# KiCad board WS2812B LED Ring7.kicad_pcb (continued)
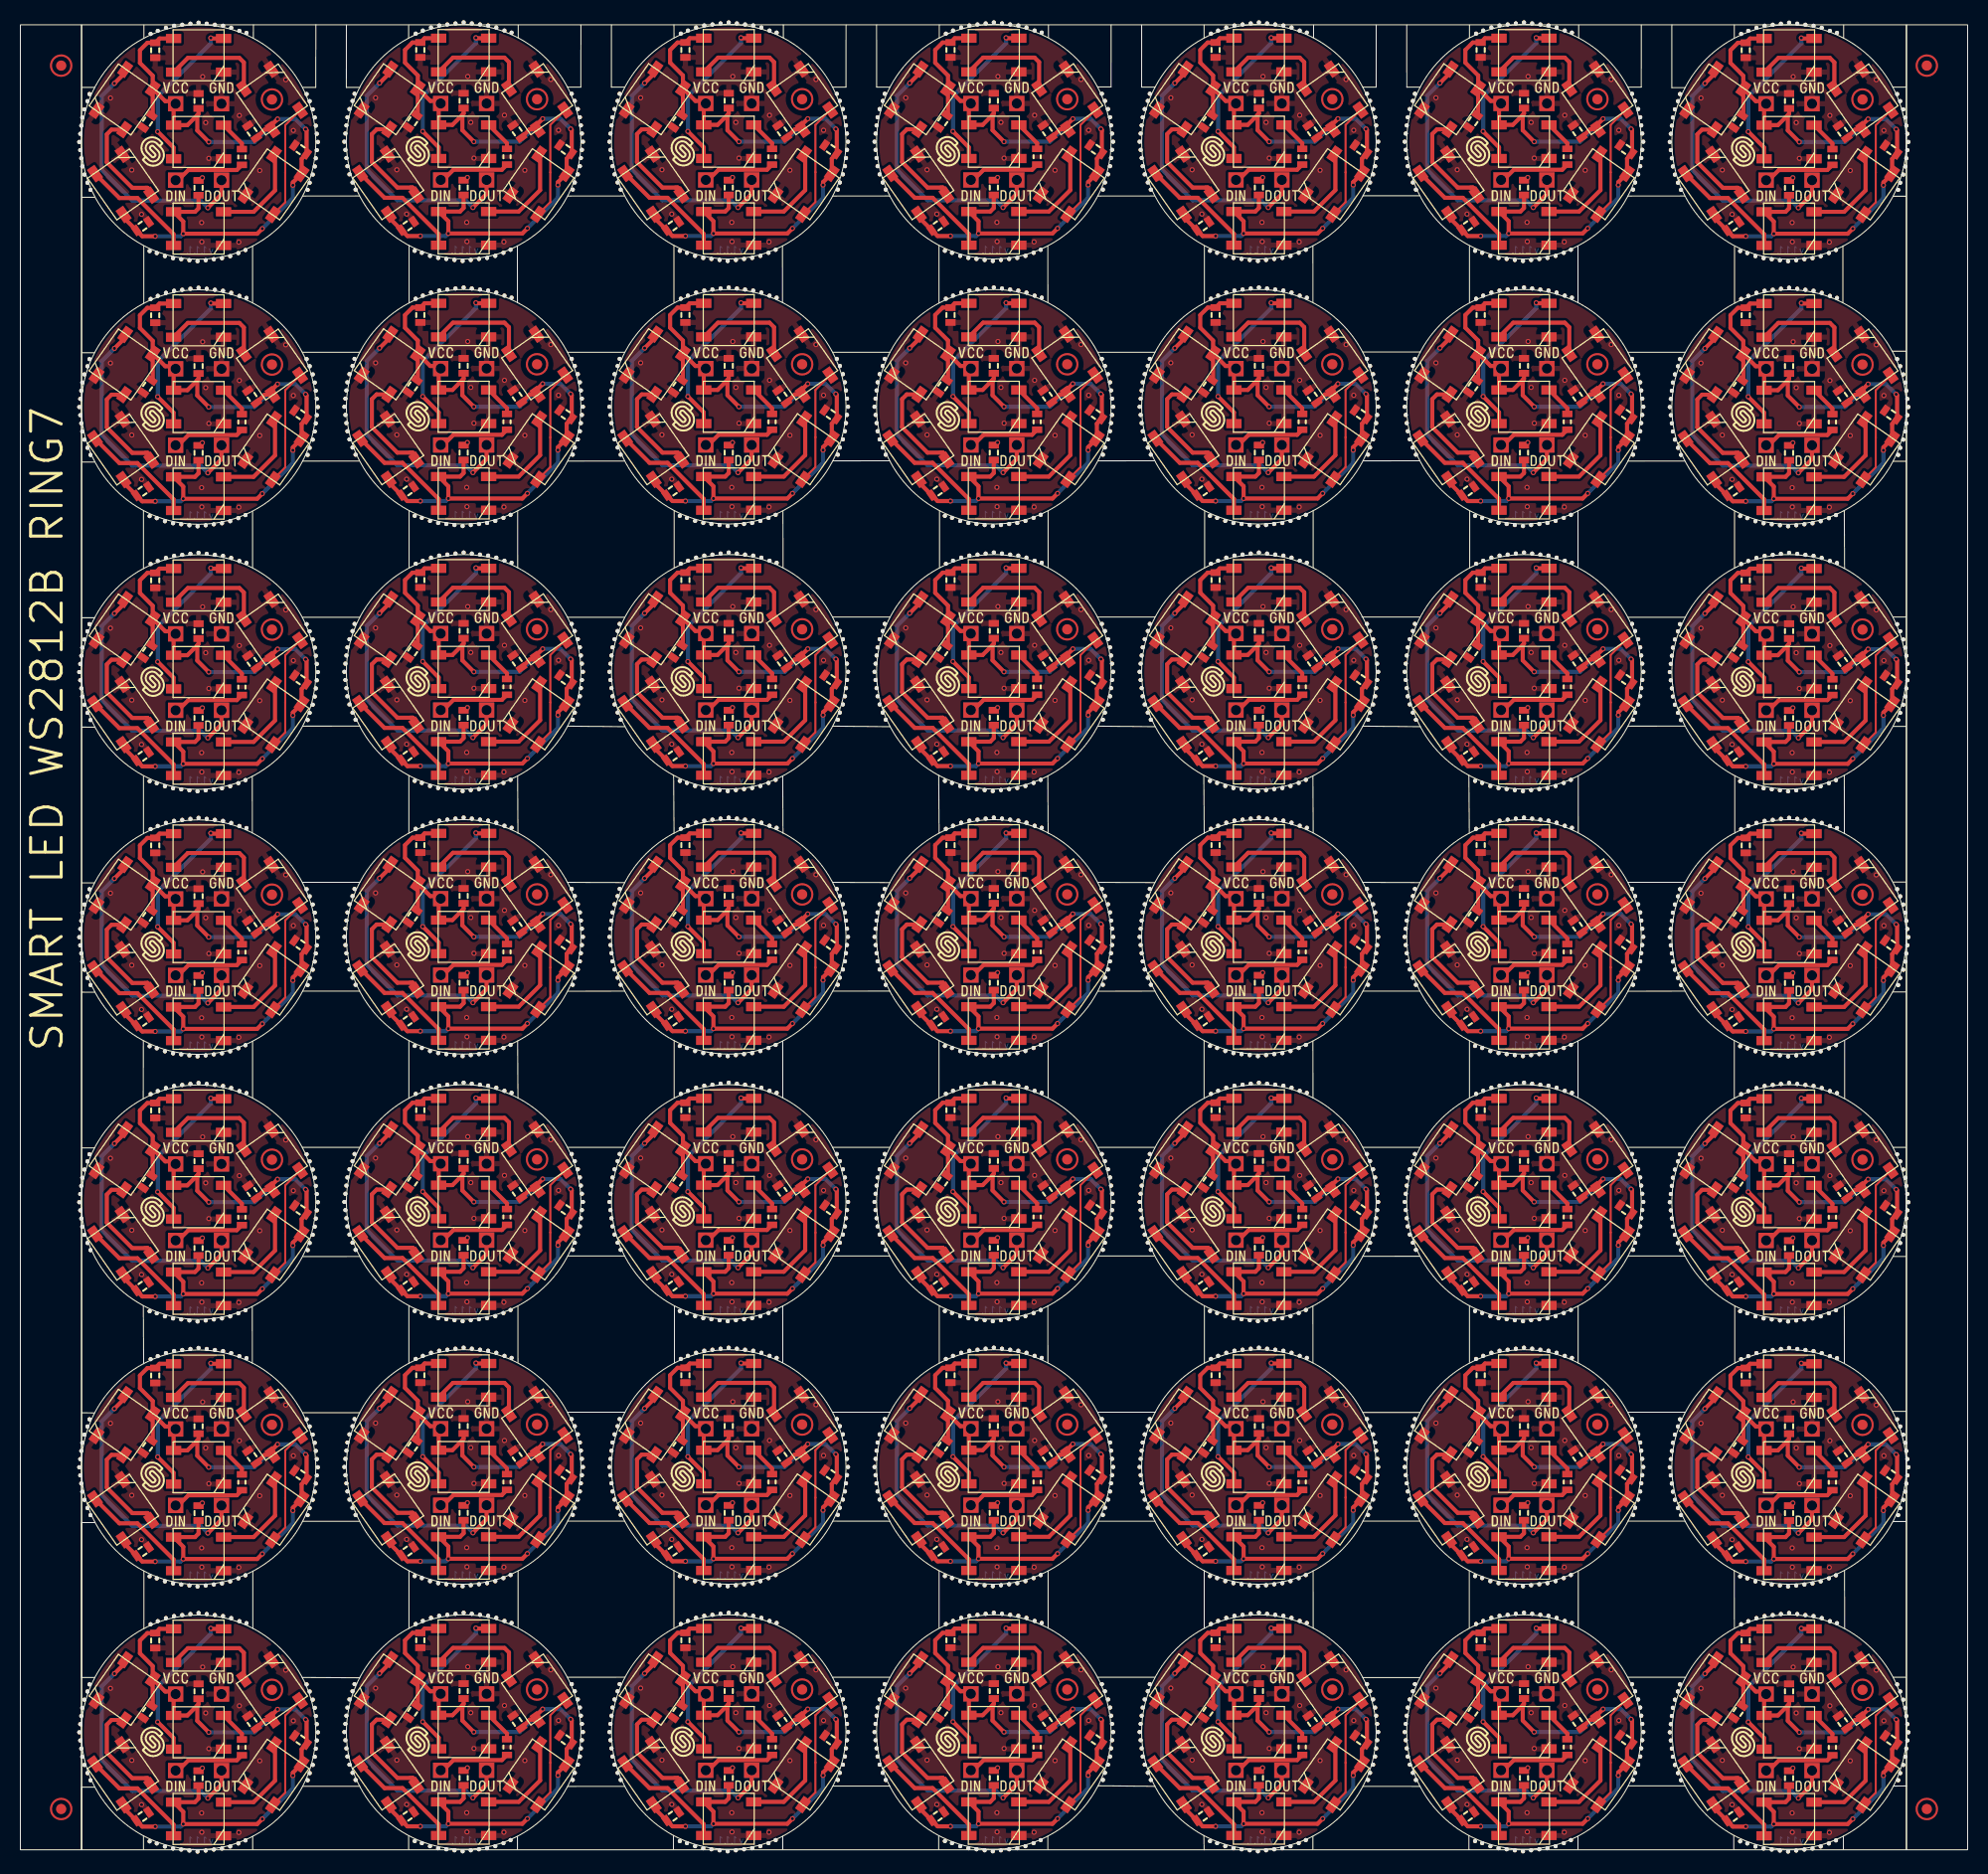
[diagram p0: board, top side]
## Placement (name value [footprint] x y rotation side) (continued)
NOREF#171  -  [buzzardLabel]  41.22 172.86 0 top
NOREF#172  -  [buzzardLabel]  145.22 110.26 0 top
NOREF#173  -  [buzzardLabel]  97.72 120.86 0 top
NOREF#174  -  [buzzardLabel]  171.22 58.23 0 top
NOREF#175  -  [buzzardLabel]  175.72 110.23 0 top
NOREF#176  -  [buzzardLabel]  175.72 16.83 0 top
NOREF#177  -  [buzzardLabel]  93.22 32.26 0 top
NOREF#178  -  [buzzardLabel]  15.22 6.23 0 top
NOREF#179  -  [buzzardLabel]  145.22 84.26 0 top
NOREF#180  -  [buzzardLabel]  149.72 32.26 0 top
NOREF#181  -  [buzzardLabel]  67.22 84.26 0 top
NOREF#182  -  [buzzardLabel]  119.22 136.26 0 top
NOREF#183  -  [buzzardLabel]  175.72 94.83 0 top
NOREF#184  -  [buzzardLabel]  175.72 58.23 0 top
NOREF#185  -  [buzzardLabel]  93.22 162.26 0 top
NOREF#186  -  [buzzardLabel]  145.22 42.86 0 top
NOREF#187  -  [buzzardLabel]  149.72 110.26 0 top
NOREF#188  -  [buzzardLabel]  175.72 6.23 0 top
NOREF#189  -  [buzzardLabel]  19.72 146.83 0 top
NOREF#190  -  [buzzardLabel]  93.22 120.86 0 top
NOREF#191  -  [buzzardLabel]  15.22 84.23 0 top
NOREF#192  -  [buzzardLabel]  149.72 6.26 0 top
NOREF#193  -  [buzzardLabel]  93.22 136.26 0 top
NOREF#194  -  [buzzardLabel]  67.22 136.26 0 top
NOREF#195  -  [buzzardLabel]  175.72 68.83 0 top
NOREF#196  -  [buzzardLabel]  67.22 32.26 0 top
NOREF#197  -  [buzzardLabel]  72.22 171.31 180 bottom
NOREF#198  -  [buzzardLabel]  118.68 145.31 180 bottom
NOREF#199  -  [buzzardLabel]  170.68 59.78 180 bottom
NOREF#200  -  [buzzardLabel]  14.67 111.78 180 bottom
NOREF#201  -  [buzzardLabel]  176.22 7.78 180 bottom
NOREF#202  -  [buzzardLabel]  72.22 59.81 180 bottom
NOREF#203  -  [buzzardLabel]  144.68 33.81 180 bottom
NOREF#204  -  [buzzardLabel]  17.47 124.53 180 bottom
NOREF#205  -  [buzzardLabel]  98.22 59.81 180 bottom
NOREF#206  -  [buzzardLabel]  144.68 41.31 180 bottom
NOREF#207  -  [buzzardLabel]  92.68 41.31 180 bottom
NOREF#208  -  [buzzardLabel]  98.22 137.81 180 bottom
NOREF#209  -  [buzzardLabel]  92.68 111.81 180 bottom
NOREF#210  -  [buzzardLabel]  176.22 15.28 180 bottom
NOREF#211  -  [buzzardLabel]  150.22 85.81 180 bottom
NOREF#212  -  [buzzardLabel]  14.67 145.28 180 bottom
NOREF#213  -  [buzzardLabel]  43.47 98.56 180 bottom
NOREF#214  -  [buzzardLabel]  46.22 41.31 180 bottom
NOREF#215  -  [buzzardLabel]  173.47 148.53 180 bottom
NOREF#216  -  [buzzardLabel]  124.22 137.81 180 bottom
NOREF#217  -  [buzzardLabel]  46.22 59.81 180 bottom
NOREF#218  -  [buzzardLabel]  144.68 163.81 180 bottom
NOREF#219  -  [buzzardLabel]  98.22 111.81 180 bottom
NOREF#220  -  [buzzardLabel]  95.47 44.56 180 bottom
NOREF#221  -  [buzzardLabel]  118.68 163.81 180 bottom
NOREF#222  -  [buzzardLabel]  69.47 46.56 180 bottom
NOREF#223  -  [buzzardLabel]  95.47 46.56 180 bottom
NOREF#224  -  [buzzardLabel]  66.68 15.31 180 bottom
NOREF#225  -  [buzzardLabel]  144.68 7.81 180 bottom
NOREF#226  -  [buzzardLabel]  173.47 176.53 180 bottom
NOREF#227  -  [buzzardLabel]  150.22 67.31 180 bottom
NOREF#228  -  [buzzardLabel]  92.68 85.81 180 bottom
NOREF#229  -  [buzzardLabel]  72.22 163.81 180 bottom
NOREF#230  -  [buzzardLabel]  118.68 171.31 180 bottom
NOREF#231  -  [buzzardLabel]  170.68 7.78 180 bottom
NOREF#232  -  [buzzardLabel]  144.68 171.31 180 bottom
NOREF#233  -  [buzzardLabel]  46.22 85.81 180 bottom
NOREF#234  -  [buzzardLabel]  66.68 145.31 180 bottom
NOREF#235  -  [buzzardLabel]  147.47 72.56 180 bottom
NOREF#236  -  [buzzardLabel]  92.68 33.81 180 bottom
NOREF#237  -  [buzzardLabel]  92.68 7.81 180 bottom
NOREF#238  -  [buzzardLabel]  43.47 122.56 180 bottom
NOREF#239  -  [buzzardLabel]  69.47 148.56 180 bottom
NOREF#240  -  [buzzardLabel]  121.47 72.56 180 bottom
NOREF#241  -  [buzzardLabel]  17.47 44.53 180 bottom
NOREF#242  -  [buzzardLabel]  92.68 137.81 180 bottom
NOREF#243  -  [buzzardLabel]  121.47 124.56 180 bottom
NOREF#244  -  [buzzardLabel]  98.22 93.31 180 bottom
NOREF#245  -  [buzzardLabel]  121.47 20.56 180 bottom
NOREF#246  -  [buzzardLabel]  121.47 44.56 180 bottom
NOREF#247  -  [buzzardLabel]  170.68 85.78 180 bottom
NOREF#248  -  [buzzardLabel]  150.22 59.81 180 bottom
NOREF#249  -  [buzzardLabel]  150.22 119.31 180 bottom
NOREF#250  -  [buzzardLabel]  176.22 171.28 180 bottom
NOREF#251  -  [buzzardLabel]  173.47 46.53 180 bottom
NOREF#252  -  [buzzardLabel]  147.47 174.56 180 bottom
NOREF#253  -  [buzzardLabel]  170.68 15.28 180 bottom
NOREF#254  -  [buzzardLabel]  95.47 176.56 180 bottom
NOREF#255  -  [buzzardLabel]  176.22 33.78 180 bottom
NOREF#256  -  [buzzardLabel]  92.68 171.31 180 bottom
NOREF#257  -  [buzzardLabel]  43.47 176.56 180 bottom
NOREF#258  -  [buzzardLabel]  173.47 150.53 180 bottom
NOREF#259  -  [buzzardLabel]  72.22 41.31 180 bottom
NOREF#260  -  [buzzardLabel]  95.47 150.56 180 bottom
NOREF#261  -  [buzzardLabel]  20.22 93.28 180 bottom
NOREF#262  -  [buzzardLabel]  40.67 119.31 180 bottom
NOREF#263  -  [buzzardLabel]  40.67 67.31 180 bottom
NOREF#264  -  [buzzardLabel]  118.68 41.31 180 bottom
NOREF#265  -  [buzzardLabel]  121.47 122.56 180 bottom
NOREF#266  -  [buzzardLabel]  95.47 122.56 180 bottom
NOREF#267  -  [buzzardLabel]  176.22 85.78 180 bottom
NOREF#268  -  [buzzardLabel]  43.47 18.56 180 bottom
NOREF#269  -  [buzzardLabel]  124.22 93.31 180 bottom
NOREF#270  -  [buzzardLabel]  92.68 93.31 180 bottom
NOREF#271  -  [buzzardLabel]  124.22 163.81 180 bottom
NOREF#272  -  [buzzardLabel]  20.22 111.78 180 bottom
NOREF#273  -  [buzzardLabel]  95.47 72.56 180 bottom
NOREF#274  -  [buzzardLabel]  46.22 137.81 180 bottom
NOREF#275  -  [buzzardLabel]  20.22 85.78 180 bottom
NOREF#276  -  [buzzardLabel]  14.67 7.78 180 bottom
NOREF#277  -  [buzzardLabel]  147.47 176.56 180 bottom
NOREF#278  -  [buzzardLabel]  66.68 119.31 180 bottom
NOREF#279  -  [buzzardLabel]  98.22 41.31 180 bottom
NOREF#280  -  [buzzardLabel]  118.68 137.81 180 bottom
NOREF#281  -  [buzzardLabel]  14.67 15.28 180 bottom
NOREF#282  -  [buzzardLabel]  43.47 46.56 180 bottom
NOREF#283  -  [buzzardLabel]  173.47 96.53 180 bottom
NOREF#284  -  [buzzardLabel]  124.22 111.81 180 bottom
NOREF#285  -  [buzzardLabel]  176.22 119.28 180 bottom
NOREF#286  -  [buzzardLabel]  150.22 111.81 180 bottom
NOREF#287  -  [buzzardLabel]  150.22 145.31 180 bottom
NOREF#288  -  [buzzardLabel]  144.68 59.81 180 bottom
NOREF#289  -  [buzzardLabel]  40.67 137.81 180 bottom
NOREF#290  -  [buzzardLabel]  118.68 59.81 180 bottom
NOREF#291  -  [buzzardLabel]  14.67 163.78 180 bottom
NOREF#292  -  [buzzardLabel]  124.22 59.81 180 bottom
NOREF#293  -  [buzzardLabel]  17.47 20.53 180 bottom
NOREF#294  -  [buzzardLabel]  46.22 163.81 180 bottom
NOREF#295  -  [buzzardLabel]  20.22 41.28 180 bottom
NOREF#296  -  [buzzardLabel]  144.68 67.31 180 bottom
NOREF#297  -  [buzzardLabel]  173.47 20.53 180 bottom
NOREF#298  -  [buzzardLabel]  69.47 122.56 180 bottom
NOREF#299  -  [buzzardLabel]  144.68 85.81 180 bottom
NOREF#300  -  [buzzardLabel]  72.22 7.81 180 bottom
NOREF#301  -  [buzzardLabel]  92.68 119.31 180 bottom
NOREF#302  -  [buzzardLabel]  118.68 15.31 180 bottom
NOREF#303  -  [buzzardLabel]  66.68 7.81 180 bottom
NOREF#304  -  [buzzardLabel]  40.67 41.31 180 bottom
NOREF#305  -  [buzzardLabel]  147.47 122.56 180 bottom
NOREF#306  -  [buzzardLabel]  40.67 85.81 180 bottom
NOREF#307  -  [buzzardLabel]  118.68 93.31 180 bottom
NOREF#308  -  [buzzardLabel]  176.22 41.28 180 bottom
NOREF#309  -  [buzzardLabel]  150.22 93.31 180 bottom
NOREF#310  -  [buzzardLabel]  69.47 96.56 180 bottom
NOREF#311  -  [buzzardLabel]  121.47 46.56 180 bottom
NOREF#312  -  [buzzardLabel]  121.47 148.56 180 bottom
NOREF#313  -  [buzzardLabel]  17.47 98.53 180 bottom
NOREF#314  -  [buzzardLabel]  121.47 174.56 180 bottom
NOREF#315  -  [buzzardLabel]  46.22 67.31 180 bottom
NOREF#316  -  [buzzardLabel]  69.47 174.56 180 bottom
NOREF#317  -  [buzzardLabel]  40.67 111.81 180 bottom
NOREF#318  -  [buzzardLabel]  124.22 41.31 180 bottom
NOREF#319  -  [buzzardLabel]  20.22 59.78 180 bottom
NOREF#320  -  [buzzardLabel]  69.47 124.56 180 bottom
NOREF#321  -  [buzzardLabel]  124.22 7.81 180 bottom
NOREF#322  -  [buzzardLabel]  170.68 119.28 180 bottom
NOREF#323  -  [buzzardLabel]  17.47 174.53 180 bottom
NOREF#324  -  [buzzardLabel]  173.47 44.53 180 bottom
NOREF#325  -  [buzzardLabel]  170.68 33.78 180 bottom
NOREF#326  -  [buzzardLabel]  95.47 70.56 180 bottom
NOREF#327  -  [buzzardLabel]  17.47 72.53 180 bottom
NOREF#328  -  [buzzardLabel]  14.67 59.78 180 bottom
NOREF#329  -  [buzzardLabel]  118.68 33.81 180 bottom
NOREF#330  -  [buzzardLabel]  147.47 20.56 180 bottom
NOREF#331  -  [buzzardLabel]  66.68 41.31 180 bottom
NOREF#332  -  [buzzardLabel]  14.67 119.28 180 bottom
NOREF#333  -  [buzzardLabel]  147.47 18.56 180 bottom
NOREF#334  -  [buzzardLabel]  124.22 15.31 180 bottom
NOREF#335  -  [buzzardLabel]  14.67 33.78 180 bottom
NOREF#336  -  [buzzardLabel]  46.22 15.31 180 bottom
NOREF#337  -  [buzzardLabel]  173.47 72.53 180 bottom
NOREF#338  -  [buzzardLabel]  121.47 70.56 180 bottom
NOREF#339  -  [buzzardLabel]  72.22 119.31 180 bottom
NOREF#340  -  [buzzardLabel]  144.68 145.31 180 bottom
NOREF#341  -  [buzzardLabel]  121.47 18.56 180 bottom
NOREF#342  -  [buzzardLabel]  17.47 122.53 180 bottom
NOREF#343  -  [buzzardLabel]  46.22 145.31 180 bottom
NOREF#344  -  [buzzardLabel]  66.68 163.81 180 bottom
NOREF#345  -  [buzzardLabel]  147.47 148.56 180 bottom
NOREF#346  -  [buzzardLabel]  72.22 33.81 180 bottom
NOREF#347  -  [buzzardLabel]  176.22 59.78 180 bottom
NOREF#348  -  [buzzardLabel]  20.22 67.28 180 bottom
NOREF#349  -  [buzzardLabel]  144.68 93.31 180 bottom
NOREF#350  -  [buzzardLabel]  92.68 67.31 180 bottom
NOREF#351  -  [buzzardLabel]  20.22 171.28 180 bottom
NOREF#352  -  [buzzardLabel]  69.47 44.56 180 bottom
NOREF#353  -  [buzzardLabel]  69.47 176.56 180 bottom
NOREF#354  -  [buzzardLabel]  95.47 174.56 180 bottom
NOREF#355  -  [buzzardLabel]  69.47 150.56 180 bottom
NOREF#356  -  [buzzardLabel]  95.47 124.56 180 bottom
NOREF#357  -  [buzzardLabel]  72.22 93.31 180 bottom
NOREF#358  -  [buzzardLabel]  17.47 150.53 180 bottom
NOREF#359  -  [buzzardLabel]  173.47 124.53 180 bottom
NOREF#360  -  [buzzardLabel]  147.47 46.56 180 bottom
NOREF#361  -  [buzzardLabel]  95.47 18.56 180 bottom
NOREF#362  -  [buzzardLabel]  144.68 111.81 180 bottom
NOREF#363  -  [buzzardLabel]  150.22 15.31 180 bottom
NOREF#364  -  [buzzardLabel]  66.68 111.81 180 bottom
NOREF#365  -  [buzzardLabel]  72.22 111.81 180 bottom
NOREF#366  -  [buzzardLabel]  98.22 85.81 180 bottom
NOREF#367  -  [buzzardLabel]  40.67 59.81 180 bottom
NOREF#368  -  [buzzardLabel]  170.68 137.78 180 bottom
NOREF#369  -  [buzzardLabel]  176.22 93.28 180 bottom
NOREF#370  -  [buzzardLabel]  173.47 98.53 180 bottom
NOREF#371  -  [buzzardLabel]  118.68 85.81 180 bottom
NOREF#372  -  [buzzardLabel]  173.47 18.53 180 bottom
NOREF#373  -  [buzzardLabel]  173.47 70.53 180 bottom
NOREF#374  -  [buzzardLabel]  40.67 7.81 180 bottom
NOREF#375  -  [buzzardLabel]  98.22 163.81 180 bottom
NOREF#376  -  [buzzardLabel]  40.67 93.31 180 bottom
NOREF#377  -  [buzzardLabel]  20.22 7.78 180 bottom
NOREF#378  -  [buzzardLabel]  66.68 67.31 180 bottom
NOREF#379  -  [buzzardLabel]  69.47 98.56 180 bottom
NOREF#380  -  [buzzardLabel]  14.67 137.78 180 bottom
NOREF#381  -  [buzzardLabel]  46.22 7.81 180 bottom
NOREF#382  -  [buzzardLabel]  98.22 33.81 180 bottom
NOREF#383  -  [buzzardLabel]  144.68 119.31 180 bottom
NOREF#384  -  [buzzardLabel]  118.68 67.31 180 bottom
NOREF#385  -  [buzzardLabel]  43.47 72.56 180 bottom
NOREF#386  -  [buzzardLabel]  121.47 176.56 180 bottom
NOREF#387  -  [buzzardLabel]  144.68 137.81 180 bottom
NOREF#388  -  [buzzardLabel]  66.68 33.81 180 bottom
NOREF#389  -  [buzzardLabel]  40.67 171.31 180 bottom
NOREF#390  -  [buzzardLabel]  124.22 33.81 180 bottom
NOREF#391  -  [buzzardLabel]  72.22 137.81 180 bottom
NOREF#392  -  [buzzardLabel]  69.47 18.56 180 bottom
NOREF#393  -  [buzzardLabel]  144.68 15.31 180 bottom
NOREF#394  -  [buzzardLabel]  66.68 171.31 180 bottom
NOREF#395  -  [buzzardLabel]  147.47 96.56 180 bottom
NOREF#396  -  [buzzardLabel]  17.47 70.53 180 bottom
NOREF#397  -  [buzzardLabel]  72.22 67.31 180 bottom
NOREF#398  -  [buzzardLabel]  98.22 67.31 180 bottom
NOREF#399  -  [buzzardLabel]  98.22 171.31 180 bottom
NOREF#400  -  [buzzardLabel]  150.22 171.31 180 bottom
NOREF#401  -  [buzzardLabel]  118.68 7.81 180 bottom
NOREF#402  -  [buzzardLabel]  17.47 148.53 180 bottom
NOREF#403  -  [buzzardLabel]  92.68 15.31 180 bottom
NOREF#404  -  [buzzardLabel]  170.68 111.78 180 bottom
NOREF#405  -  [buzzardLabel]  147.47 124.56 180 bottom
NOREF#406  -  [buzzardLabel]  66.68 93.31 180 bottom
NOREF#407  -  [buzzardLabel]  40.67 145.31 180 bottom
NOREF#408  -  [buzzardLabel]  69.47 20.56 180 bottom
NOREF#409  -  [buzzardLabel]  173.47 122.53 180 bottom
NOREF#410  -  [buzzardLabel]  124.22 85.81 180 bottom
NOREF#411  -  [buzzardLabel]  176.22 67.28 180 bottom
NOREF#412  -  [buzzardLabel]  118.68 111.81 180 bottom
NOREF#413  -  [buzzardLabel]  150.22 7.81 180 bottom
NOREF#414  -  [buzzardLabel]  95.47 20.56 180 bottom
NOREF#415  -  [buzzardLabel]  95.47 98.56 180 bottom
NOREF#416  -  [buzzardLabel]  150.22 33.81 180 bottom
NOREF#417  -  [buzzardLabel]  98.22 119.31 180 bottom
NOREF#418  -  [buzzardLabel]  170.68 145.28 180 bottom
NOREF#419  -  [buzzardLabel]  124.22 145.31 180 bottom
NOREF#420  -  [buzzardLabel]  14.67 171.28 180 bottom
NOREF#421  -  [buzzardLabel]  14.67 67.28 180 bottom
NOREF#422  -  [buzzardLabel]  14.67 41.28 180 bottom
NOREF#423  -  [buzzardLabel]  43.47 44.56 180 bottom
NOREF#424  -  [buzzardLabel]  124.22 171.31 180 bottom
NOREF#425  -  [buzzardLabel]  147.47 98.56 180 bottom
NOREF#426  -  [buzzardLabel]  66.68 85.81 180 bottom
NOREF#427  -  [buzzardLabel]  40.67 33.81 180 bottom
NOREF#428  -  [buzzardLabel]  17.47 176.53 180 bottom
NOREF#429  -  [buzzardLabel]  95.47 96.56 180 bottom
NOREF#430  -  [buzzardLabel]  20.22 15.28 180 bottom
NOREF#431  -  [buzzardLabel]  121.47 150.56 180 bottom
NOREF#432  -  [buzzardLabel]  92.68 163.81 180 bottom
NOREF#433  -  [buzzardLabel]  147.47 44.56 180 bottom
NOREF#434  -  [buzzardLabel]  92.68 59.81 180 bottom
NOREF#435  -  [buzzardLabel]  43.47 124.56 180 bottom
NOREF#436  -  [buzzardLabel]  46.22 119.31 180 bottom
NOREF#437  -  [buzzardLabel]  66.68 137.81 180 bottom
NOREF#438  -  [buzzardLabel]  20.22 119.28 180 bottom
NOREF#439  -  [buzzardLabel]  176.22 111.78 180 bottom
NOREF#440  -  [buzzardLabel]  98.22 145.31 180 bottom
NOREF#441  -  [buzzardLabel]  124.22 119.31 180 bottom
NOREF#442  -  [buzzardLabel]  150.22 41.31 180 bottom
NOREF#443  -  [buzzardLabel]  147.47 150.56 180 bottom
NOREF#444  -  [buzzardLabel]  20.22 137.78 180 bottom
NOREF#445  -  [buzzardLabel]  14.67 93.28 180 bottom
NOREF#446  -  [buzzardLabel]  170.68 67.28 180 bottom
NOREF#447  -  [buzzardLabel]  14.67 85.78 180 bottom
NOREF#448  -  [buzzardLabel]  95.47 148.56 180 bottom
NOREF#449  -  [buzzardLabel]  98.22 7.81 180 bottom
NOREF#450  -  [buzzardLabel]  176.22 137.78 180 bottom
NOREF#451  -  [buzzardLabel]  43.47 96.56 180 bottom
NOREF#452  -  [buzzardLabel]  43.47 148.56 180 bottom
NOREF#453  -  [buzzardLabel]  98.22 15.31 180 bottom
NOREF#454  -  [buzzardLabel]  170.68 93.28 180 bottom
NOREF#455  -  [buzzardLabel]  176.22 145.28 180 bottom
NOREF#456  -  [buzzardLabel]  170.68 171.28 180 bottom
NOREF#457  -  [buzzardLabel]  66.68 59.81 180 bottom
NOREF#458  -  [buzzardLabel]  92.68 145.31 180 bottom
NOREF#459  -  [buzzardLabel]  121.47 96.56 180 bottom
NOREF#460  -  [buzzardLabel]  124.22 67.31 180 bottom
NOREF#461  -  [buzzardLabel]  147.47 70.56 180 bottom
NOREF#462  -  [buzzardLabel]  170.68 163.78 180 bottom
NOREF#463  -  [buzzardLabel]  46.22 171.31 180 bottom
NOREF#464  -  [buzzardLabel]  46.22 111.81 180 bottom
NOREF#465  -  [buzzardLabel]  43.47 20.56 180 bottom
NOREF#466  -  [buzzardLabel]  40.67 15.31 180 bottom
NOREF#467  -  [buzzardLabel]  40.67 163.81 180 bottom
NOREF#468  -  [buzzardLabel]  176.22 163.78 180 bottom
NOREF#469  -  [buzzardLabel]  69.47 70.56 180 bottom
NOREF#470  -  [buzzardLabel]  170.68 41.28 180 bottom
NOREF#471  -  [buzzardLabel]  46.22 93.31 180 bottom
NOREF#472  -  [buzzardLabel]  150.22 137.81 180 bottom
NOREF#473  -  [buzzardLabel]  118.68 119.31 180 bottom
NOREF#474  -  [buzzardLabel]  121.47 98.56 180 bottom
NOREF#475  -  [buzzardLabel]  20.22 33.78 180 bottom
NOREF#476  -  [buzzardLabel]  20.22 145.28 180 bottom
NOREF#477  -  [buzzardLabel]  17.47 46.53 180 bottom
NOREF#478  -  [buzzardLabel]  20.22 163.78 180 bottom
NOREF#479  -  [buzzardLabel]  72.22 15.31 180 bottom
NOREF#480  -  [buzzardLabel]  17.47 18.53 180 bottom
NOREF#481  -  [buzzardLabel]  69.47 72.56 180 bottom
NOREF#482  -  [buzzardLabel]  72.22 145.31 180 bottom
NOREF#483  -  [buzzardLabel]  17.47 96.53 180 bottom
NOREF#484  -  [buzzardLabel]  43.47 174.56 180 bottom
NOREF#485  -  [buzzardLabel]  72.22 85.81 180 bottom
NOREF#486  -  [buzzardLabel]  43.47 70.56 180 bottom
NOREF#487  -  [buzzardLabel]  43.47 150.56 180 bottom
NOREF#488  -  [buzzardLabel]  46.22 33.81 180 bottom
NOREF#489  -  [buzzardLabel]  173.47 174.53 180 bottom
NOREF#490  -  [buzzardLabel]  150.22 163.81 180 bottom
PAD1  -  [PAD_2x1.5]  97.72 93.56 180 bottom
PAD1#2  -  [PAD_2x1.5]  175.72 119.53 180 bottom
PAD1#3  -  [PAD_2x1.5]  71.72 119.56 180 bottom
PAD1#4  -  [PAD_2x1.5]  123.72 171.56 180 bottom
PAD1#5  -  [PAD_2x1.5]  149.72 15.56 180 bottom
PAD1#6  -  [PAD_2x1.5]  19.72 15.53 180 bottom
PAD1#7  -  [PAD_2x1.5]  123.72 93.56 180 bottom
PAD1#8  -  [PAD_2x1.5]  71.72 15.56 180 bottom
PAD1#9  -  [PAD_2x1.5]  149.72 145.56 180 bottom
PAD1#10  -  [PAD_2x1.5]  45.72 41.56 180 bottom
PAD1#11  -  [PAD_2x1.5]  97.72 119.56 180 bottom
PAD1#12  -  [PAD_2x1.5]  149.72 93.56 180 bottom
PAD1#13  -  [PAD_2x1.5]  19.72 67.53 180 bottom
PAD1#14  -  [PAD_2x1.5]  19.72 145.53 180 bottom
PAD1#15  -  [PAD_2x1.5]  71.72 93.56 180 bottom
PAD1#16  -  [PAD_2x1.5]  175.72 145.53 180 bottom
PAD1#17  -  [PAD_2x1.5]  175.72 15.53 180 bottom
PAD1#18  -  [PAD_2x1.5]  45.72 15.56 180 bottom
PAD1#19  -  [PAD_2x1.5]  149.72 67.56 180 bottom
PAD1#20  -  [PAD_2x1.5]  19.72 93.53 180 bottom
PAD1#21  -  [PAD_2x1.5]  149.72 171.56 180 bottom
PAD1#22  -  [PAD_2x1.5]  123.72 41.56 180 bottom
PAD1#23  -  [PAD_2x1.5]  123.72 67.56 180 bottom
PAD1#24  -  [PAD_2x1.5]  97.72 15.56 180 bottom
PAD1#25  -  [PAD_2x1.5]  45.72 93.56 180 bottom
PAD1#26  -  [PAD_2x1.5]  45.72 171.56 180 bottom
PAD1#27  -  [PAD_2x1.5]  19.72 41.53 180 bottom
PAD1#28  -  [PAD_2x1.5]  123.72 15.56 180 bottom
PAD1#29  -  [PAD_2x1.5]  71.72 67.56 180 bottom
PAD1#30  -  [PAD_2x1.5]  71.72 171.56 180 bottom
PAD1#31  -  [PAD_2x1.5]  175.72 93.53 180 bottom
PAD1#32  -  [PAD_2x1.5]  45.72 145.56 180 bottom
PAD1#33  -  [PAD_2x1.5]  71.72 41.56 180 bottom
PAD1#34  -  [PAD_2x1.5]  19.72 171.53 180 bottom
PAD1#35  -  [PAD_2x1.5]  97.72 67.56 180 bottom
PAD1#36  -  [PAD_2x1.5]  123.72 145.56 180 bottom
PAD1#37  -  [PAD_2x1.5]  97.72 41.56 180 bottom
PAD1#38  -  [PAD_2x1.5]  175.72 67.53 180 bottom
PAD1#39  -  [PAD_2x1.5]  71.72 145.56 180 bottom
PAD1#40  -  [PAD_2x1.5]  123.72 119.56 180 bottom
PAD1#41  -  [PAD_2x1.5]  45.72 119.56 180 bottom
PAD1#42  -  [PAD_2x1.5]  149.72 41.56 180 bottom
PAD1#43  -  [PAD_2x1.5]  97.72 145.56 180 bottom
PAD1#44  -  [PAD_2x1.5]  175.72 171.53 180 bottom
PAD1#45  -  [PAD_2x1.5]  175.72 41.53 180 bottom
PAD1#46  -  [PAD_2x1.5]  149.72 119.56 180 bottom
PAD1#47  -  [PAD_2x1.5]  45.72 67.56 180 bottom
PAD1#48  -  [PAD_2x1.5]  97.72 171.56 180 bottom
PAD1#49  -  [PAD_2x1.5]  19.72 119.53 180 bottom
PAD2  PAD_2x1.5  [PAD_2x1.5#2]  67.22 163.56 0 top
PAD2#2  PAD_2x1.5  [PAD_2x1.5#2]  171.22 111.53 0 top
PAD2#3  PAD_2x1.5  [PAD_2x1.5#2]  15.22 59.53 0 top
PAD2#4  PAD_2x1.5  [PAD_2x1.5#2]  41.22 137.56 0 top
PAD2#5  PAD_2x1.5  [PAD_2x1.5#2]  171.22 7.53 0 top
PAD2#6  PAD_2x1.5  [PAD_2x1.5#2]  171.22 85.53 0 top
PAD2#7  PAD_2x1.5  [PAD_2x1.5#2]  15.22 111.53 0 top
PAD2#8  PAD_2x1.5  [PAD_2x1.5#2]  93.22 137.56 0 top
PAD2#9  PAD_2x1.5  [PAD_2x1.5#2]  67.22 7.56 0 top
PAD2#10  PAD_2x1.5  [PAD_2x1.5#2]  119.22 163.56 0 top
PAD2#11  PAD_2x1.5  [PAD_2x1.5#2]  119.22 33.56 0 top
PAD2#12  PAD_2x1.5  [PAD_2x1.5#2]  41.22 85.56 0 top
PAD2#13  PAD_2x1.5  [PAD_2x1.5#2]  67.22 85.56 0 top
PAD2#14  PAD_2x1.5  [PAD_2x1.5#2]  67.22 137.56 0 top
PAD2#15  PAD_2x1.5  [PAD_2x1.5#2]  41.22 111.56 0 top
PAD2#16  PAD_2x1.5  [PAD_2x1.5#2]  119.22 111.56 0 top
PAD2#17  PAD_2x1.5  [PAD_2x1.5#2]  67.22 33.56 0 top
PAD2#18  PAD_2x1.5  [PAD_2x1.5#2]  15.22 137.53 0 top
PAD2#19  PAD_2x1.5  [PAD_2x1.5#2]  41.22 59.56 0 top
PAD2#20  PAD_2x1.5  [PAD_2x1.5#2]  119.22 85.56 0 top
PAD2#21  PAD_2x1.5  [PAD_2x1.5#2]  171.22 163.53 0 top
PAD2#22  PAD_2x1.5  [PAD_2x1.5#2]  119.22 137.56 0 top
PAD2#23  PAD_2x1.5  [PAD_2x1.5#2]  67.22 111.56 0 top
PAD2#24  PAD_2x1.5  [PAD_2x1.5#2]  145.22 7.56 0 top
PAD2#25  PAD_2x1.5  [PAD_2x1.5#2]  145.22 59.56 0 top
PAD2#26  PAD_2x1.5  [PAD_2x1.5#2]  15.22 33.53 0 top
PAD2#27  PAD_2x1.5  [PAD_2x1.5#2]  93.22 7.56 0 top
PAD2#28  PAD_2x1.5  [PAD_2x1.5#2]  67.22 59.56 0 top
PAD2#29  PAD_2x1.5  [PAD_2x1.5#2]  145.22 137.56 0 top
PAD2#30  PAD_2x1.5  [PAD_2x1.5#2]  15.22 85.53 0 top
PAD2#31  PAD_2x1.5  [PAD_2x1.5#2]  93.22 33.56 0 top
PAD2#32  PAD_2x1.5  [PAD_2x1.5#2]  93.22 85.56 0 top
PAD2#33  PAD_2x1.5  [PAD_2x1.5#2]  93.22 59.56 0 top
PAD2#34  PAD_2x1.5  [PAD_2x1.5#2]  145.22 111.56 0 top
PAD2#35  PAD_2x1.5  [PAD_2x1.5#2]  119.22 59.56 0 top
PAD2#36  PAD_2x1.5  [PAD_2x1.5#2]  15.22 7.53 0 top
PAD2#37  PAD_2x1.5  [PAD_2x1.5#2]  119.22 7.56 0 top
PAD2#38  PAD_2x1.5  [PAD_2x1.5#2]  171.22 137.53 0 top
PAD2#39  PAD_2x1.5  [PAD_2x1.5#2]  15.22 163.53 0 top
PAD2#40  PAD_2x1.5  [PAD_2x1.5#2]  145.22 163.56 0 top
PAD2#41  PAD_2x1.5  [PAD_2x1.5#2]  145.22 33.56 0 top
PAD2#42  PAD_2x1.5  [PAD_2x1.5#2]  171.22 59.53 0 top
PAD2#43  PAD_2x1.5  [PAD_2x1.5#2]  93.22 163.56 0 top
PAD2#44  PAD_2x1.5  [PAD_2x1.5#2]  145.22 85.56 0 top
PAD2#45  PAD_2x1.5  [PAD_2x1.5#2]  41.22 33.56 0 top
PAD2#46  PAD_2x1.5  [PAD_2x1.5#2]  93.22 111.56 0 top
PAD2#47  PAD_2x1.5  [PAD_2x1.5#2]  41.22 163.56 0 top
PAD2#48  PAD_2x1.5  [PAD_2x1.5#2]  171.22 33.53 0 top
PAD2#49  PAD_2x1.5  [PAD_2x1.5#2]  41.22 7.56 0 top
PAD3  -  [PAD_2x1.5]  145.22 15.56 0 top
PAD3#2  -  [PAD_2x1.5]  119.22 41.56 0 top
PAD3#3  -  [PAD_2x1.5]  41.22 67.56 0 top
PAD3#4  -  [PAD_2x1.5]  93.22 67.56 0 top
PAD3#5  -  [PAD_2x1.5]  15.22 119.53 0 top
PAD3#6  -  [PAD_2x1.5]  171.22 171.53 0 top
PAD3#7  -  [PAD_2x1.5]  171.22 41.53 0 top
PAD3#8  -  [PAD_2x1.5]  145.22 171.56 0 top
PAD3#9  -  [PAD_2x1.5]  67.22 145.56 0 top
PAD3#10  -  [PAD_2x1.5]  171.22 119.53 0 top
PAD3#11  -  [PAD_2x1.5]  145.22 41.56 0 top
PAD3#12  -  [PAD_2x1.5]  41.22 41.56 0 top
PAD3#13  -  [PAD_2x1.5]  41.22 15.56 0 top
PAD3#14  -  [PAD_2x1.5]  171.22 93.53 0 top
PAD3#15  -  [PAD_2x1.5]  67.22 119.56 0 top
PAD3#16  -  [PAD_2x1.5]  93.22 145.56 0 top
PAD3#17  -  [PAD_2x1.5]  171.22 145.53 0 top
PAD3#18  -  [PAD_2x1.5]  119.22 93.56 0 top
PAD3#19  -  [PAD_2x1.5]  15.22 93.53 0 top
PAD3#20  -  [PAD_2x1.5]  171.22 67.53 0 top
PAD3#21  -  [PAD_2x1.5]  119.22 145.56 0 top
PAD3#22  -  [PAD_2x1.5]  15.22 145.53 0 top
PAD3#23  -  [PAD_2x1.5]  119.22 119.56 0 top
PAD3#24  -  [PAD_2x1.5]  119.22 171.56 0 top
PAD3#25  -  [PAD_2x1.5]  15.22 171.53 0 top
PAD3#26  -  [PAD_2x1.5]  93.22 15.56 0 top
PAD3#27  -  [PAD_2x1.5]  145.22 67.56 0 top
PAD3#28  -  [PAD_2x1.5]  93.22 171.56 0 top
PAD3#29  -  [PAD_2x1.5]  15.22 41.53 0 top
PAD3#30  -  [PAD_2x1.5]  67.22 171.56 0 top
PAD3#31  -  [PAD_2x1.5]  67.22 67.56 0 top
PAD3#32  -  [PAD_2x1.5]  67.22 15.56 0 top
PAD3#33  -  [PAD_2x1.5]  67.22 93.56 0 top
PAD3#34  -  [PAD_2x1.5]  145.22 93.56 0 top
PAD3#35  -  [PAD_2x1.5]  145.22 119.56 0 top
PAD3#36  -  [PAD_2x1.5]  67.22 41.56 0 top
PAD3#37  -  [PAD_2x1.5]  119.22 67.56 0 top
PAD3#38  -  [PAD_2x1.5]  41.22 171.56 0 top
PAD3#39  -  [PAD_2x1.5]  15.22 67.53 0 top
PAD3#40  -  [PAD_2x1.5]  41.22 119.56 0 top
PAD3#41  -  [PAD_2x1.5]  15.22 15.53 0 top
PAD3#42  -  [PAD_2x1.5]  145.22 145.56 0 top
PAD3#43  -  [PAD_2x1.5]  93.22 119.56 0 top
PAD3#44  -  [PAD_2x1.5]  171.22 15.53 0 top
PAD3#45  -  [PAD_2x1.5]  119.22 15.56 0 top
PAD3#46  -  [PAD_2x1.5]  93.22 41.56 0 top
PAD3#47  -  [PAD_2x1.5]  93.22 93.56 0 top
PAD3#48  -  [PAD_2x1.5]  41.22 93.56 0 top
PAD3#49  -  [PAD_2x1.5]  41.22 145.56 0 top
PAD4  -  [PAD_2x1.5]  71.72 145.56 0 top
PAD4#2  -  [PAD_2x1.5]  123.72 93.56 0 top
PAD4#3  -  [PAD_2x1.5]  149.72 15.56 0 top
PAD4#4  -  [PAD_2x1.5]  19.72 119.53 0 top
PAD4#5  -  [PAD_2x1.5]  149.72 171.56 0 top
PAD4#6  -  [PAD_2x1.5]  123.72 145.56 0 top
PAD4#7  -  [PAD_2x1.5]  123.72 67.56 0 top
PAD4#8  -  [PAD_2x1.5]  19.72 171.53 0 top
PAD4#9  -  [PAD_2x1.5]  45.72 41.56 0 top
PAD4#10  -  [PAD_2x1.5]  149.72 145.56 0 top
PAD4#11  -  [PAD_2x1.5]  97.72 41.56 0 top
PAD4#12  -  [PAD_2x1.5]  149.72 67.56 0 top
PAD4#13  -  [PAD_2x1.5]  149.72 119.56 0 top
PAD4#14  -  [PAD_2x1.5]  97.72 67.56 0 top
PAD4#15  -  [PAD_2x1.5]  97.72 15.56 0 top